# KiCad board SweetBusiness.kicad_pcb (continued)
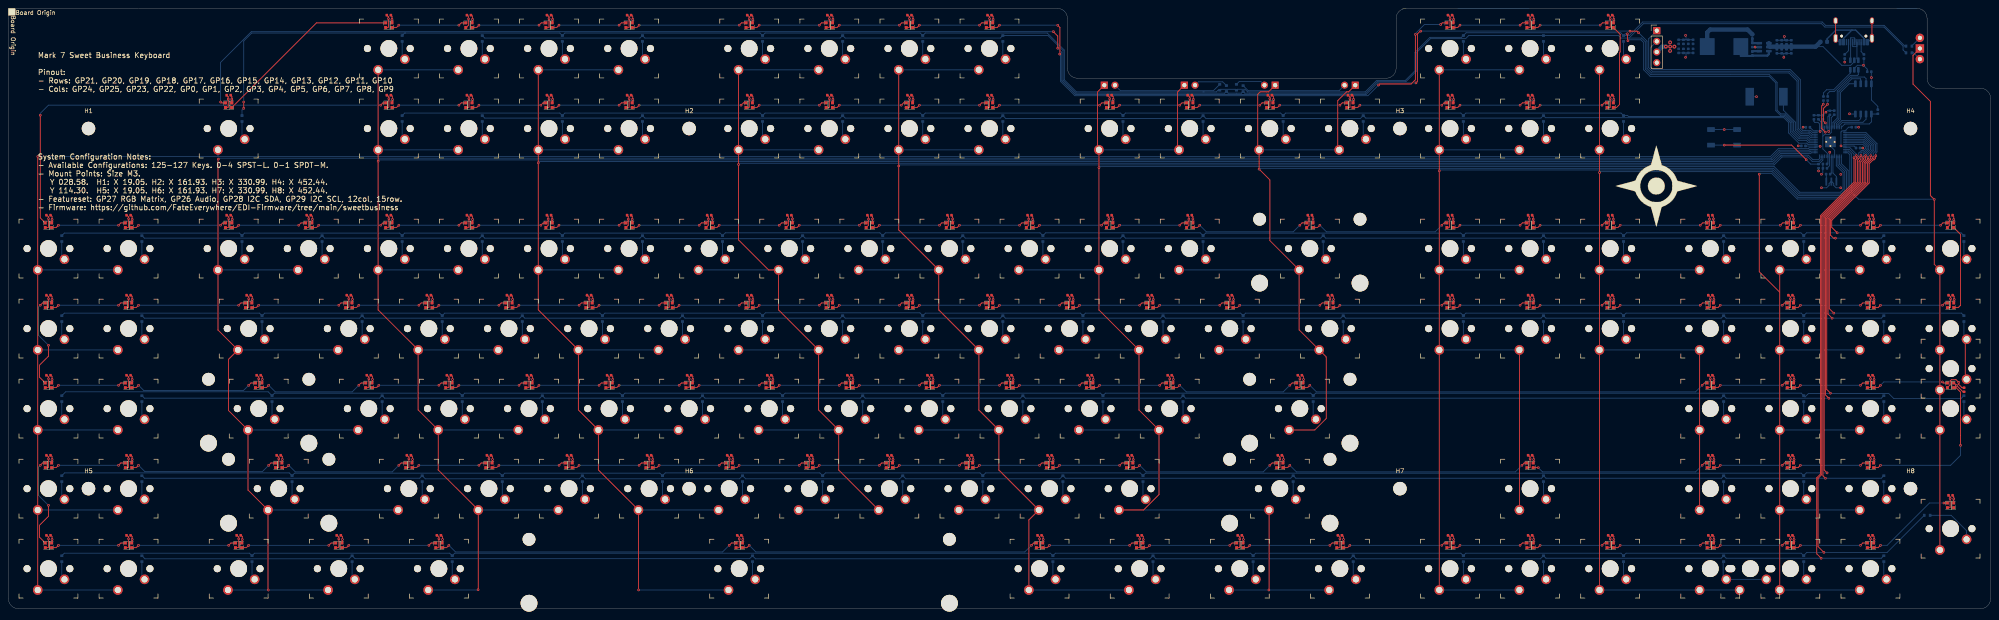
[diagram p0: board, top side]
## Routing (per net, layer and track width the routed paths; a pad name or vN(x,y) marks a point on that pad's centre or on a via; arc(x,y) is an arc through that point) (continued)
4: length 528.2
  Top w0.2: v1(433.4,51.31) 432.51,52.2 432.51,92.95 441,101.45 441,106.24 441.76,107 v1(441.76,107.84)
  Bottom w0.2: D74.1 13.62,51.63 61.79,51.63 D76.1 63.31,51.31 107.35,51.31 D78.1 108.55,51.31 145.45,51.31 D80.1 146.65,51.31 183.55,51.31 D82.1 184.75,51.31 221.65,51.31 D84.1 222.85,51.31 259.75,51.31 D86.1 260.95,51.31 309.76,51.31 D88.1 310.96,51.31 426.44,51.31 D90.1 427.34,50.4 428.15,51.21 447.27,51.21 448.47,50.01 464.44,50.01 D92.1 ; U0.6 441.4,111.73 442.9,110.23 442.9,109.28 441.76,108.14 v1(441.76,107.84)
5: length 489.3
  Top w0.2: v1(433,50.1) 432.21,50.89 432.21,93.07 440.6,101.47 440.6,106.37 441.2,106.97 v1(441.2,107.38)
  Bottom w0.2: v1(441.2,107.38) 441.2,108.32 441.29,108.4 441.54,108.4 442.5,109.36 442.5,110.12 441.3,111.33 U0.7 ; D91.1 445.48,50.1 408.59,50.1 D89.1 407.39,50.11 280,50.11 D87.1 278.8,50.11 241.9,50.11 D85.1 240.7,50.11 203.8,50.11 D83.1 202.6,50.11 165.7,50.11 D81.1 164.5,50.11 127.6,50.11 D79.1 126.4,50.11 89.5,50.11 D77.1 88.3,50.11 32.35,50.11 D75.1
6: length 512.1
  Top w0.2: v1(432.6,32.32) 431.91,33.01 431.91,93.2 440.2,101.49 440.2,106.53 440.65,106.98 v1(440.65,107.86)
  Bottom w0.2: 231.78,31.66 232.44,32.32 269.21,32.32 D105.1 270.47,32.26 426.44,32.26 D109.1 ; D93.1 13.37,32.32 66.8,32.32 D95.1 68.07,32.26 116.88,32.26 D97.1 118.07,32.26 154.98,32.26 D99.1 156.24,32.32 193.01,32.32 D101.1 ; v1(440.65,107.86) 440.65,108.55 440.8,108.7 441.39,108.7 442.1,109.42 442.1,110.04 441.21,110.93 U0.8 ; 427.04,31.72 427.64,32.32 v1(432.6,32.32) ; 193.68,31.66 194.34,32.32 231.11,32.32 D103.1
7: length 507.9
  Top w0.2: v1(440.1,107.38) 440,107.28 440,106.96 439.8,106.76 439.8,101.52 431.61,93.32 431.61,31.64 v1(432.2,31.05)
  Bottom w0.2: U0.9 441.11,110.53 441.7,109.93 441.7,109.5 441.26,109.05 440.72,109.05 440.12,108.46 440.12,107.4 v1(440.1,107.38) ; 365.12,31.53 364.65,31.05 306.23,31.05 305.62,31.66 ; D106.1 304.99,31.06 251.42,31.06 D104.1 250.09,30.92 213.46,30.92 D102.1 211.99,30.92 175.36,30.92 D100.1 173.89,30.92 137.26,30.92 D98.1 135.79,30.92 99.16,30.92 D96.1 97.83,31.06 32.35,31.06 D94.1 ; D108.1 408.59,31.05 445.48,31.05 D110.1 ; 407.99,31.59 407.45,31.05 365.73,31.05 D107.1
8: length 553
  Top w0.2: v1(431.83,13.4) 430.44,14.79 430.44,31.05 431.31,31.91 431.31,93.45 439.4,101.54 439.4,106.93 439.55,107.08 v1(439.55,107.86)
  Bottom w0.2: U0.11 438.04,109.73 439.55,108.21 v1(439.55,107.86) ; 427.04,12.67 427.77,13.4 v1(431.83,13.4) 446.88,13.4 D127.1 ; D125.1 426.44,13.21 384.77,13.21 D123.1 383.58,13.21 346.67,13.21 D121.1 345.48,13.21 296.67,13.21 D119.1 295.47,13.21 249.04,13.21 D117.1 247.84,13.21 106.17,13.21 D115.1 104.97,13.21 58.54,13.21 D113.1 57.34,13.21 13.3,13.21 D111.1
9: length 521.2
  Top w0.2: v1(431.19,12.01) 430.14,13.05 430.14,31.17 431.01,32.03 431.01,93.57 439,101.57 v1(439,107.38)
  Bottom w0.2: D116.1 176.31,11.91 82.45,11.91 D114.1 81.02,11.87 32.48,11.87 D112.1 ; 177.01,12.57 177.7,11.87 271.52,11.87 D118.1 ; D126.1 445.49,12.01 v1(431.19,12.01) 408.59,12.01 D124.1 407.39,12.01 365.72,12.01 D122.1 364.39,11.87 320.58,11.87 319.88,12.57 ; D120.1 319.15,11.87 272.95,11.87 272.26,12.57 ; v1(439,107.38) 439,108.2 437.87,109.33 U0.12
10: length 154.1
  Top w0.2: K127.1 K92.1 K50.1 458.08,81.98 v1(458.08,97.43) 457.16,98.36 457.16,120.76 453.04,124.89 453.04,131.72 SWA1.2
  Bottom w0.2: U0.13 437.71,108.93 438.4,108.23 438.4,99.12 440.05,97.47 458.05,97.47 v1(458.08,97.43)
11: length 236.7
  Top w0.2: K48.1 421.32,75.34 ; 421.32,75.34 416.46,80.2 v1(416.46,103.43) ; 421.32,75.34 K125.1
  Bottom w0.2: K90.1 K91.1 ; K125.1 K126.1 ; K48.1 K49.1 ; K71.1 K72.1 ; v1(416.46,103.43) 416.66,103.63 419.4,103.63 425.51,97.52 436.43,97.52 438,99.1 438,108.06 437.54,108.53 U0.14 ; K109.1 K110.1
12: length 314.3
  Top w0.2: K70.1 K108.1 ; K12.1 K123.1
  Bottom w0.2: U0.15 435.99,105.93 437.6,104.32 437.6,99.26 436.27,97.92 425.64,97.92 419.53,104.03 378.66,104.03 v1(378.46,103.83) ; K124.2.1 K124.1 K123.1 ; K46.1 K47.1 ; K69.1 K70.1
13: length 366
  Top w0.2: K10.1 K121.1 ; K68.1 K107.1
  Bottom w0.2: K25.1 K26.1 ; K67.1 K68.1 ; K10.1 K11.1 ; K44.1 K45.1 ; K121.1 K122.1 ; U0.16 435.59,105.77 437.2,104.15 437.2,99.43 436.1,98.32 425.8,98.32 419.69,104.43 340.56,104.43 v1(340.36,104.23)
14: length 338.9
  Top w0.2: KT3.1 299.73,123.03 297.76,123.03 297.16,122.43 297.16,109.56 K23.1 v1(297.5,104.63) 300.04,102.09 300.04,87.63 K43.1 307.02,66.36 K66.1 313.46,59.92 313.46,45.27 310.74,42.55 K88.1 ; KT4.1 318.77,123.03 318.29,123.03 316.21,120.94 316.21,109.56 K24.1
  Bottom w0.2: K65.1 K66.1 ; K42.1 K43.1 ; v1(297.5,104.63) 297.7,104.83 419.85,104.83 425.96,98.72 435.93,98.72 436.8,99.59 436.8,103.98 435.19,105.6 U0.17 ; K23.1 K24.1
15: length 474.7
  Top w0.2: KT2.1 278.11,123.01 278.11,109.56 K22.1 ; K105.1 270.01,23.5 273.69,27.17 K87.1 268.92,47.31 K64.1 259.4,71.12 K41.1 v1(259.4,105) K21.1 259.06,109.56 259.06,123.01 KT1.1 ; K106.1 299.88,4.51 v1(299.82,4.44)
  Bottom w0.2: K120.1 v1(299.82,4.44) K119.1 ; K21.1 K22.1 ; v1(259.4,105) 259.63,105.23 420.01,105.23 426.12,99.12 435.77,99.12 436.4,99.76 436.4,103.82 434.79,105.44 U0.18 ; K41.1 K40.1 ; K64.1 K63.1 ; K87.1 K86.1 ; K106.1 K105.1
16: length 498.4
  Top w0.2: K8.1 v1(211.77,105.38) 211.77,90.17 K39.1 221.3,71.12 K62.1 230.82,47.31 K85.1 235.58,33.02 K104.1 242.73,21.11 K117.1
  Bottom w0.2: K8.1 K9.1 ; K117.1 K118.1 ; K61.1 K62.1 ; v1(211.77,105.38) 212.03,105.63 419.97,105.63 421.87,107.53 421.87,107.54 427.99,107.54 429.04,106.49 430.72,106.49 431.19,106.96 U0.27 ; K19.1 K20.1 ; K103.1 K104.1 ; K84.1 K85.1 ; K38.1 K39.1
17: length 493.4
  Top w0.2: K102.1 197.49,33.02 K83.1 192.72,47.31 K60.1 183.2,71.12 K37.1 180.82,80.65 173.67,87.79 v1(173.67,105.76) K17.1 K6.1
  Bottom w0.2: K59.1 K60.1 ; U0.28 430.79,107.12 430.55,106.89 429.2,106.89 428.16,107.94 421.7,107.94 421.47,107.7 421.47,107.69 419.81,106.03 173.95,106.03 v1(173.67,105.76) ; K36.1 K37.1 ; K101.1 K102.1 ; K17.1 K18.1 ; K82.1 K83.1 ; K6.1 K7.1
18: length 574.3
  Top w0.2: v1(149.89,4.46) 149.86,4.49 K99.1 140.34,33.02 K80.1 135.57,47.31 K57.1 126.05,71.12 K34.1 v1(126.05,106.14) K4.1
  Bottom w0.2: U0.29 428.83,108.53 428.65,108.34 421.53,108.34 420.04,106.85 420.04,106.84 419.64,106.43 126.34,106.43 v1(126.05,106.14) ; K99.1 K100.1 ; K34.1 K35.1 ; K80.1 K81.1 ; v1(149.89,4.46) 149.9,4.44 K116.1 ; K15.1 K16.1 ; K57.1 K58.1 ; K4.1 K5.1
19: length 602.8
  Top w0.2: K2.1 v1(87.95,106.52) K32.1 87.95,71.12 K55.1 97.47,47.31 K78.1 102.24,33.02 K97.1 111.76,4.55 v1(111.72,4.51)
  Bottom w0.2: 99.85,4.44 111.65,4.44 v1(111.72,4.51) ; K3.1 K2.1 ; K13.1 K14.1 ; K56.1 K55.1 ; v1(87.95,106.52) 88.26,106.83 419.47,106.83 419.47,106.84 421.37,108.74 428.48,108.74 428.67,108.93 U0.30 ; K98.1 K97.1 ; K78.1 K79.1 ; K32.1 K33.1
20: length 614.2
  Top w0.2: v1(61.82,4.44) 61.75,4.51 K95.1 56.99,28.26 K76.1 52.36,47.18 52.36,59.34 K53.1 49.85,66.36 K30.1 49.85,106.94 v1(49.94,107.03)
  Bottom w0.2: K77.1 K76.1 ; K54.1 K53.1 ; K31.1 K30.1 ; K114.1 v1(61.82,4.44) K113.1 ; v1(49.94,107.03) 50.14,107.23 419.3,107.23 421.2,109.14 428.31,109.14 428.5,109.33 U0.31 ; K95.1 K96.1
21: length 623.9
  Top w0.2: v1(6.98,107.63) K111.1
  Bottom w0.2: v1(6.98,107.63) 50.01,107.63 ; 50.01,107.63 49.85,107.79 K1.1 ; 50.01,107.63 419.13,107.63 421.04,109.54 428.15,109.54 428.34,109.73 U0.32 ; K94.1 K93.1 ; K112.1 K111.1 ; K28.1 K29.1 ; K75.1 K74.1 ; K52.1 K51.1
22: length 324.7
  Bottom w0.2: D14.1 113.31,116.78 150.21,116.78 D16.1 151.41,116.78 197.84,116.78 D18.1 199.04,116.78 235.94,116.78 D20.1 237.24,116.68 283.46,116.68 D22.1 284.86,116.68 321.56,116.68 D24.1 322.86,116.78 364.53,116.78 D26.1 365.63,116.88 422.29,116.88 423.44,115.72 423.44,113.24 425.88,110.81 427.76,110.81 428.04,110.53 U0.34
23: length 343.8
  Bottom w0.2: D13.1 94.26,117.98 131.16,117.98 D15.1 132.36,117.98 178.79,117.98 D17.1 179.99,117.98 216.89,117.98 D19.1 218.09,117.98 264.51,117.98 D21.1 265.71,117.98 302.61,117.98 D23.1 303.81,117.98 345.48,117.98 D25.1 346.67,117.98 383.58,117.98 D27.1 385.14,117.38 385.35,117.18 422.41,117.18 423.84,115.75 423.84,113.41 425.8,111.46 427.68,111.46 428.21,110.93 U0.35
24: length 506.6
  Top w0.2: v1(385.22,135.19) 385.1,135.32 v1(385.1,136.84) ; v1(55.97,119.11) v1(55.97,120.61)
  Bottom w0.2: 384.18,136.43 384.59,136.84 v1(385.1,136.84) ; 94.47,137.03 57.89,137.03 55.97,135.11 v1(55.97,120.61) ; 94.47,137.03 94.26,137.03 D2.1 ; 94.47,137.03 131.16,137.03 D4.1 132.36,137.03 178.79,137.03 D6.1 179.99,137.03 216.89,137.03 D8.1 218.09,137.03 247.1,137.03 251.16,132.97 251.16,125.89 254.04,123.01 284.16,123.01 ; 284.16,123.01 284.47,123.01 ; 284.16,123.01 287.32,123.01 287.72,123.41 DT1.1 288.35,123.64 291.88,123.64 DT3.1 292.33,123.65 294.13,123.65 294.76,123.01 322.72,123.01 325.46,125.75 332.28,125.75 334.57,128.04 334.57,132.44 338.13,135.99 345.64,135.99 D10.1 346.74,137.1 383.51,137.1 D12.1 385.51,136.43 385.51,136.43 388.74,139.66 431.43,139.66 432.23,138.86 446.15,138.86 451.09,133.91 DA1.1 ; v1(385.22,135.19) 385.46,135.43 388.3,135.43 388.96,134.77 388.96,128.28 390.51,126.73 418.82,126.73 420.4,125.15 420.4,118.55 421.47,117.48 422.54,117.48 424.24,115.77 424.24,113.58 425.96,111.86 427.85,111.86 428.38,111.33 U0.36 ; D1.1 55.56,118.71 v1(55.97,119.11)
25: length 427.3
  Bottom w0.2: 385.48,135.83 388.91,139.26 431.27,139.26 432.07,138.46 446.12,138.46 450.67,133.91 450.67,133.01 DA2.1 ; 385.48,135.83 383.57,135.83 382.97,136.43 D11.1 347.36,136.43 346.62,135.69 338.25,135.69 334.87,132.31 334.87,127.91 332.41,125.45 325.58,125.45 322.84,122.71 294.09,122.71 DT4.1 293.29,122.71 290.13,122.71 DT2.1 289.31,122.71 253.92,122.71 250.86,125.77 250.86,132.85 247.28,136.43 D9.1 235.94,135.83 199.04,135.83 D7.1 197.84,135.83 151.41,135.83 D5.1 150.21,135.83 113.31,135.83 D3.1 ; 385.48,135.83 388.46,135.83 389.36,134.94 389.36,128.46 390.68,127.13 418.84,127.13 420.7,125.28 420.7,118.68 421.6,117.78 422.66,117.78 424.64,115.8 424.64,113.74 426.13,112.26 428.01,112.26 428.55,111.73 U0.37
26/A0: length 14.8
  Bottom w0.2: TX0.1 422.2,118.66 425.04,115.82 425.04,113.91 426.3,112.66 428.18,112.66 428.71,112.13 U0.38
27/A1: length 438.8
  Top w0.2: v1(249.59,133.41) 249.59,136.33 v1(248.56,137.35) ; v1(334.8,125.16) 335.18,125.54 335.18,136.84 335.82,137.48 v1(335.95,137.48) ; v1(387.76,137.1) 387.38,137.48 385.73,137.48 v1(385.72,137.49) ; v1(50.47,120.61) 50.67,120.41 LD1.3
  Bottom w0.2: v1(387.76,137.1) 389.76,135.1 389.76,128.63 390.85,127.53 423.5,127.53 425.44,125.59 425.44,114.07 426.46,113.06 428.35,113.06 428.88,112.53 U0.39 ; v1(50.47,120.61) 50.47,130.04 57.78,137.35 v1(248.56,137.35) ; v1(385.72,137.49) 385.71,137.5 335.97,137.5 v1(335.95,137.48) ; v1(249.59,133.41) 250.56,132.44 250.56,125.65 253.79,122.41 322.97,122.41 325.71,125.15 334.8,125.15 v1(334.8,125.16)
28/A2: length 62.7
  Bottom w0.2: U0.40 429.04,112.93 428.5,113.47 428.28,113.47 428.27,113.46 426.63,113.46 425.84,114.24 425.84,125.75 423.67,127.93 391.03,127.93 390.16,128.8 390.16,135.67 J2.1
29/A3: length 59.3
  Bottom w0.2: U0.41 429.21,113.33 428.67,113.87 427.4,113.87 427.39,113.86 426.79,113.86 426.24,114.4 426.24,125.92 423.83,128.33 391.19,128.33 390.56,128.97 390.56,133.53 J2.2
CLOCK: length 16.5
  Bottom w0.2: U2.6 440.59,126.05 440.5,126.15 438.46,126.15 435.41,123.09 435.41,116.61 434.39,115.59 U0.52
CS: length 11
  Bottom w0.2: 444.59,117.75 U2.1 443.13,115.89 442.63,115.38 436.8,115.38 U0.56
D+: length 7.5
  Bottom w0.2: J4.A6 438.69,133.89 438.79,133.79 439.6,133.79 439.69,133.89 J4.B6 439.69,130.88 U3.6
D-: length 7.2
  Bottom w0.2: 438.19,130.62 J4.B7 438.19,135.84 438.24,135.89 439.06,135.89 439.19,135.75 J4.A7
DB+: length 11
  Bottom w0.2: RD1.1 432.75,122.64 433.23,123.13 434.31,123.13 438.14,126.96 439.85,126.96 440.02,127.12 U3.1
DB-: length 10
  Bottom w0.2: RD2.1 431.73,122.77 432.49,123.53 434.15,123.53 438.12,127.5 U3.3
SD0: length 13.1
  Bottom w0.2: U0.53 434.79,115.43 435.81,116.45 435.81,122.92 437.83,124.95 U2.5
SD1: length 8.6
  Bottom w0.2: U2.2 441.86,116.52 441.12,115.78 436.27,115.78 435.59,115.09 U0.55
SD2: length 7.8
  Bottom w0.2: U2.3 440.59,116.65 440.12,116.18 436.11,116.18 435.19,115.26 U0.54
SD3: length 18.7
  Bottom w0.2: U0.51 433.99,115.76 435.01,116.78 435.01,123.25 438.31,126.56 441.48,126.56 441.86,126.17 U2.7
XIN: length 6.4
  Bottom w0.2: Y0.1 434.81,102.88 433.99,103.7 U0.20
XOUT: length 4.4
  Bottom w0.2: U0.21 433.59,103.7 RX2.1
~{RESET}: length 32.7
  Top w0.2: 424.16,110.35 v1(427.64,106.87) ; v1(408.14,110.35) 424.16,110.35
  Bottom w0.2: 430.63,105.83 431.59,106.79 U0.26 ; S2.2 v1(408.14,110.35) S2.2 ; v1(427.64,106.87) 428.68,105.83 RR1.2
Net-(D1-A): length 3.6
  Bottom w0.2: D1.2 55.56,112.4
Net-(D2-A): length 3.6
  Bottom w0.2: D2.2 93.66,131.45
Net-(D3-A): length 3.6
  Bottom w0.2: D3.2 112.71,131.45
Net-(D4-A): length 3.6
  Bottom w0.2: D4.2 131.76,131.45
Net-(D5-A): length 3.6
  Bottom w0.2: D5.2 150.81,131.45
Net-(D6-A): length 3.6
  Bottom w0.2: D6.2 179.39,131.45
Net-(D7-A): length 3.6
  Bottom w0.2: D7.2 198.44,131.45
Net-(D8-A): length 3.6
  Bottom w0.2: D8.2 217.49,131.45
Net-(D9-A): length 3.6
  Bottom w0.2: D9.2 236.54,131.45
Net-(D10-A): length 3.6
  Bottom w0.2: D10.2 346.07,131.45
Net-(D11-A): length 4.5
  Bottom w0.2: D11.2 365.12,131.45 K11.2
Net-(D12-A): length 3.6
  Bottom w0.2: D12.2 384.18,131.45
Net-(D13-A): length 3.6
  Bottom w0.2: D13.2 93.66,112.4
Net-(D14-A): length 3.6
  Bottom w0.2: D14.2 112.71,112.4
Net-(D15-A): length 3.6
  Bottom w0.2: D15.2 131.76,112.4
Net-(D16-A): length 3.6
  Bottom w0.2: D16.2 150.81,112.4
Net-(D17-A): length 3.6
  Bottom w0.2: D17.2 179.39,112.4
Net-(D18-A): length 3.6
  Bottom w0.2: D18.2 198.44,112.4
Net-(D19-A): length 3.6
  Bottom w0.2: D19.2 217.49,112.4
Net-(D20-A): length 3.6
  Bottom w0.2: D20.2 236.54,112.4
Net-(D21-A): length 3.6
  Bottom w0.2: D21.2 265.11,112.4
Net-(D22-A): length 3.6
  Bottom w0.2: D22.2 284.16,112.4
Net-(D23-A): length 3.6
  Bottom w0.2: D23.2 303.21,112.4
Net-(D24-A): length 3.6
  Bottom w0.2: D24.2 322.26,112.4
Net-(D25-A): length 3.6
  Bottom w0.2: D25.2 346.07,112.4
Net-(D26-A): length 3.6
  Bottom w0.2: D26.2 365.12,112.4
Net-(D27-A): length 3.6
  Bottom w0.2: D27.2 384.18,112.4
Net-(D28-A): length 3.6
  Bottom w0.2: D28.2 12.7,83.82
Net-(D29-A): length 3.6
  Bottom w0.2: D29.2 31.75,83.82
Net-(D30-A): length 3.6
  Bottom w0.2: D30.2 55.56,83.82
Net-(D31-A): length 3.6
  Bottom w0.2: D31.2 74.61,83.82
Net-(D32-A): length 3.6
  Bottom w0.2: D32.2 93.66,83.82
Net-(D33-A): length 3.6
  Bottom w0.2: D33.2 112.71,83.82
Net-(D34-A): length 3.6
  Bottom w0.2: D34.2 131.76,83.82
Net-(D35-A): length 3.6
  Bottom w0.2: D35.2 150.81,83.82
Net-(D36-A): length 3.6
  Bottom w0.2: D36.2 169.86,83.82
Net-(D37-A): length 3.6
  Bottom w0.2: D37.2 188.91,83.82
Net-(D38-A): length 3.6
  Bottom w0.2: D38.2 207.96,83.82
Net-(D39-A): length 3.6
  Bottom w0.2: D39.2 227.01,83.82
Net-(D40-A): length 3.6
  Bottom w0.2: D40.2 246.06,83.82
Net-(D41-A): length 3.6
  Bottom w0.2: D41.2 265.11,83.82
Net-(D42-A): length 3.6
  Bottom w0.2: D42.2 284.16,83.82
Net-(D43-A): length 3.6
  Bottom w0.2: D43.2 312.74,83.82
Net-(D44-A): length 3.6
  Bottom w0.2: D44.2 346.07,83.82
Net-(D45-A): length 3.6
  Bottom w0.2: D45.2 365.12,83.82
Net-(D46-A): length 3.6
  Bottom w0.2: D46.2 384.18,83.82
Net-(D47-A): length 3.6
  Bottom w0.2: D47.2 407.99,83.82
Net-(D48-A): length 3.6
  Bottom w0.2: D48.2 427.04,83.82
Net-(D49-A): length 3.6
  Bottom w0.2: D49.2 446.09,83.82
Net-(D50-A): length 3.6
  Bottom w0.2: D50.2 465.14,83.82
Net-(D51-A): length 3.6
  Bottom w0.2: D51.2 12.7,64.77
Net-(D52-A): length 3.6
  Bottom w0.2: D52.2 31.75,64.77
Net-(D53-A): length 3.6
  Bottom w0.2: D53.2 60.33,64.77
Net-(D54-A): length 3.6
  Bottom w0.2: D54.2 84.14,64.77
Net-(D55-A): length 3.6
  Bottom w0.2: D55.2 103.19,64.77
Net-(D56-A): length 3.6
  Bottom w0.2: D56.2 122.24,64.77
Net-(D57-A): length 3.6
  Bottom w0.2: D57.2 141.29,64.77
Net-(D58-A): length 3.6
  Bottom w0.2: D58.2 160.34,64.77
Net-(D59-A): length 3.6
  Bottom w0.2: D59.2 179.39,64.77
Net-(D60-A): length 3.6
  Bottom w0.2: D60.2 198.44,64.77
Net-(D61-A): length 3.6
  Bottom w0.2: D61.2 217.49,64.77
Net-(D62-A): length 3.6
  Bottom w0.2: D62.2 236.54,64.77
Net-(D63-A): length 3.6
  Bottom w0.2: D63.2 255.59,64.77
Net-(D64-A): length 3.6
  Bottom w0.2: D64.2 274.64,64.77
Net-(D65-A): length 3.6
  Bottom w0.2: D65.2 293.69,64.77
Net-(D66-A): length 3.6
  Bottom w0.2: D66.2 317.5,64.77
Net-(D67-A): length 3.6
  Bottom w0.2: D67.2 346.07,64.77
Net-(D68-A): length 3.6
  Bottom w0.2: D68.2 365.12,64.77
Net-(D69-A): length 3.6
  Bottom w0.2: D69.2 384.18,64.77
Net-(D70-A): length 3.6
  Bottom w0.2: D70.2 407.99,64.77
Net-(D71-A): length 3.6
  Bottom w0.2: D71.2 427.04,64.77
Net-(D72-A): length 3.6
  Bottom w0.2: D72.2 446.09,64.77
Net-(D73-A): length 13.4
  Top w0.2: K73.2.2 465.47,54.91 465.47,63.83 K73.2
  Bottom w0.2: D73.2 465.14,64.77
Net-(D74-A): length 3.6
  Bottom w0.2: D74.2 12.7,45.72
Net-(D75-A): length 3.6
  Bottom w0.2: D75.2 31.75,45.72
Net-(D76-A): length 3.6
  Bottom w0.2: D76.2 62.71,45.72
Net-(D77-A): length 3.6
  Bottom w0.2: D77.2 88.9,45.72
Net-(D78-A): length 3.6
  Bottom w0.2: D78.2 107.95,45.72
Net-(D79-A): length 3.6
  Bottom w0.2: D79.2 127,45.72
Net-(D80-A): length 3.6
  Bottom w0.2: D80.2 146.05,45.72
Net-(D81-A): length 3.6
  Bottom w0.2: D81.2 165.1,45.72
Net-(D82-A): length 3.6
  Bottom w0.2: D82.2 184.15,45.72
Net-(D83-A): length 3.6
  Bottom w0.2: D83.2 203.2,45.72
Net-(D84-A): length 3.6
  Bottom w0.2: D84.2 222.25,45.72
Net-(D85-A): length 3.6
  Bottom w0.2: D85.2 241.3,45.72
Net-(D86-A): length 3.6
  Bottom w0.2: D86.2 260.35,45.72
Net-(D87-A): length 3.6
  Bottom w0.2: D87.2 279.4,45.72
Net-(D88-A): length 3.6
  Bottom w0.2: D88.2 310.36,45.72
Net-(D89-A): length 3.6
  Bottom w0.2: D89.2 407.99,45.72
Net-(D90-A): length 3.6
  Bottom w0.2: D90.2 427.04,45.72
Net-(D91-A): length 3.6
  Bottom w0.2: D91.2 446.09,45.72
Net-(D92-A): length 3.6
  Bottom w0.2: D92.2 465.14,45.72
Net-(D93-A): length 3.6
  Bottom w0.2: D93.2 12.7,26.67
Net-(D94-A): length 3.6
  Bottom w0.2: D94.2 31.75,26.67
Net-(D95-A): length 3.6
  Bottom w0.2: D95.2 67.47,26.67
Net-(D96-A): length 3.6
  Bottom w0.2: D96.2 98.43,26.67
Net-(D97-A): length 3.6
  Bottom w0.2: D97.2 117.47,26.67
Net-(D98-A): length 3.6
  Bottom w0.2: D98.2 136.53,26.67
Net-(D99-A): length 3.6
  Bottom w0.2: D99.2 155.57,26.67
Net-(D100-A): length 3.6
  Bottom w0.2: D100.2 174.62,26.67
Net-(D101-A): length 3.6
  Bottom w0.2: D101.2 193.68,26.67
Net-(D102-A): length 3.6
  Bottom w0.2: D102.2 212.73,26.67
Net-(D103-A): length 3.6
  Bottom w0.2: D103.2 231.77,26.67
Net-(D104-A): length 3.6
  Bottom w0.2: D104.2 250.82,26.67
Net-(D105-A): length 3.6
  Bottom w0.2: D105.2 269.88,26.67
Net-(D106-A): length 3.6
  Bottom w0.2: D106.2 305.59,26.67
Net-(D107-A): length 3.6
  Bottom w0.2: D107.2 365.12,26.67
Net-(D108-A): length 3.6
  Bottom w0.2: D108.2 407.99,26.67
Net-(D109-A): length 3.6
  Bottom w0.2: D109.2 427.04,26.67
Net-(D110-A): length 3.6
  Bottom w0.2: D110.2 446.09,26.67
Net-(D111-A): length 3.6
  Bottom w0.2: D111.2 12.7,7.62
Net-(D112-A): length 3.6
  Bottom w0.2: D112.2 31.75,7.62
Net-(D113-A): length 3.6
  Bottom w0.2: D113.2 57.94,7.62
Net-(D114-A): length 3.6
  Bottom w0.2: D114.2 81.76,7.62
Net-(D115-A): length 3.6
  Bottom w0.2: D115.2 105.57,7.62
Net-(D116-A): length 3.6
  Bottom w0.2: D116.2 177.01,7.62
Net-(D117-A): length 3.6
  Bottom w0.2: D117.2 248.44,7.62
Net-(D118-A): length 3.6
  Bottom w0.2: D118.2 272.26,7.62
Net-(D119-A): length 3.6
  Bottom w0.2: D119.2 296.07,7.62
Net-(D120-A): length 3.6
  Bottom w0.2: D120.2 319.88,7.62
Net-(D121-A): length 3.6
  Bottom w0.2: D121.2 346.07,7.62
Net-(D122-A): length 3.6
  Bottom w0.2: D122.2 365.12,7.62
Net-(D123-A): length 3.6
  Bottom w0.2: D123.2 384.18,7.62
Net-(D124-A): length 13.2
  Bottom w0.2: D124.2 407.87,11.09 407.87,7.74 407.99,7.62 ; K124.2.2 K124.2
Net-(D125-A): length 3.6
  Bottom w0.2: D125.2 427.04,7.62
Net-(D126-A): length 3.6
  Bottom w0.2: D126.2 446.09,7.62
Net-(D127-A): length 12.2
  Bottom w0.2: K127.2 465.77,18.55 462.1,22.23 D127.2
Net-(DA1-A): length 2.8
  Bottom w0.2: SWA1.1 452.77,133.99 DA1.2
Net-(DA2-A): length 2.5
  Bottom w0.2: SWA1.3 453.17,132.31 DA2.2
Net-(DT1-A): length 26.1
  Bottom w0.2: DT1.2 286.63,123.31 264.51,123.31 KT1.2
Net-(DT2-A): length 8.2
  Bottom w0.2: KT2.2 283.05,125.41 288.83,125.41 DT2.2
Net-(DT3-A): length 7.3
  Bottom w0.2: KT3.2 297.92,125.47 292.76,125.47 DT3.2
Net-(DT4-A): length 25.2
  Bottom w0.2: DT4.2 294.89,123.31 316.52,123.31 KT4.2
Net-(J4-CC1): length 3.3
  Bottom w0.2: J4.A5 437.69,132.84 RC2.1
Net-(J4-CC2): length 3.2
  Bottom w0.2: J4.B5 440.69,132.59 RC1.2
Net-(LD1-DOUT): length 44.9
  Top w0.2: LD2.3 73.29,139.46 LD1.1
Net-(LD2-DOUT): length 18
  Top w0.2: LD3.3 107.71,139.46 v1(107.16,138.91) ; v1(92.87,138.91) 92.32,138.36 LD2.1
  Bottom w0.2: v1(92.87,138.91) v1(107.16,138.91)
Net-(LD3-DOUT): length 18
  Top w0.2: v1(111.92,138.91) 111.37,138.36 LD3.1 ; LD4.3 126.76,139.46 v1(126.21,138.91)
  Bottom w0.2: v1(111.92,138.91) v1(126.21,138.91)
Net-(LD4-DOUT): length 18
  Top w0.2: LD4.1 130.42,138.36 v1(130.97,138.91) ; v1(145.26,138.91) 145.81,139.46 LD5.3
  Bottom w0.2: v1(130.97,138.91) v1(145.26,138.91)
Net-(LD5-DOUT): length 27.5
  Top w0.2: LD6.3 174.38,139.46 v1(173.83,138.91) ; LD5.1 149.47,138.36 v1(150.02,138.91)
  Bottom w0.2: v1(150.02,138.91) v1(173.83,138.91)
Net-(LD6-DOUT): length 18
  Top w0.2: LD6.1 178.04,138.36 v1(178.59,138.91) ; v1(192.88,138.91) 193.43,139.46 LD7.3
  Bottom w0.2: v1(178.59,138.91) v1(192.88,138.91)
Net-(LD7-DOUT): length 18
  Top w0.2: LD8.3 212.48,139.46 v1(211.93,138.91) ; LD7.1 197.09,138.36 v1(197.64,138.91)
  Bottom w0.2: v1(197.64,138.91) v1(211.93,138.91)
Net-(LD8-DOUT): length 18
  Top w0.2: LD9.3 231.53,139.46 v1(230.98,138.91) ; v1(216.69,138.91) 216.14,138.36 LD8.1
  Bottom w0.2: v1(216.69,138.91) v1(230.98,138.91)
Net-(LD10-DIN): length 136.3
  Top w0.2: v1(249.59,138.87) 250.11,138.35 250.11,132.06 v1(250.06,132.02) ; v1(340.67,139.06) 341.07,139.46 LD10.3 ; v1(334.67,136.71) 334.67,125.91 333.66,124.9 326.17,124.9 v1(325.91,124.65) ; LD9.1 235.19,138.36 v1(235.74,138.91)
  Bottom w0.2: v1(235.74,138.91) 249.56,138.91 v1(249.59,138.87) ; v1(334.67,136.71) 334.67,136.91 336.82,139.06 v1(340.67,139.06) ; v1(325.91,124.65) 323.38,122.11 253.67,122.11 250.26,125.52 250.26,131.82 v1(250.06,132.02)
Net-(LD10-DOUT): length 18
  Top w0.2: v1(359.57,138.91) 360.12,139.46 LD11.3 ; LD10.1 344.73,138.36 v1(345.28,138.91)
  Bottom w0.2: v1(345.28,138.91) v1(359.57,138.91)
Net-(LD11-DOUT): length 18
  Top w0.2: LD12.3 379.17,139.46 v1(378.62,138.91) ; LD11.1 363.78,138.36 v1(364.33,138.91)
  Bottom w0.2: v1(364.33,138.91) v1(378.62,138.91)
Net-(LD12-DOUT): length 20.9
  Top w0.2: LD27.3 382.52,119.31 383.23,120.01 383.23,132.39 383.38,132.55 383.38,136.73 LD12.1
Net-(LD13-DIN): length 18
  Top w0.2: LD13.3 92.32,119.31 v1(92.87,119.86) ; LD14.1 107.71,120.41 v1(107.16,119.86)
  Bottom w0.2: v1(107.16,119.86) v1(92.87,119.86)
Net-(LD13-DOUT): length 109.8
  Top w0.2: LD13.1 89.1,120.41 v1(88.55,119.86) ; LD28.3 7.58,93.02 v1(7.58,117.48)
  Bottom w0.2: v1(88.55,119.86) 9.53,119.86 7.58,117.92 v1(7.58,117.48)
Net-(LD14-DIN): length 18
  Top w0.2: LD14.3 111.37,119.31 v1(111.92,119.86) ; LD15.1 127.2,120.41 v1(126.65,119.86)
  Bottom w0.2: v1(126.65,119.86) v1(111.92,119.86)
Net-(LD15-DIN): length 18
  Top w0.2: LD16.1 145.81,120.41 v1(145.26,119.86) ; v1(130.97,119.86) 130.42,119.31 LD15.3
  Bottom w0.2: v1(145.26,119.86) v1(130.97,119.86)
Net-(LD16-DIN): length 27.5
  Top w0.2: LD16.3 149.47,119.31 v1(150.02,119.86) ; LD17.1 174.82,120.41 v1(174.27,119.86)
  Bottom w0.2: v1(174.27,119.86) v1(150.02,119.86)
Net-(LD17-DIN): length 18
  Top w0.2: v1(178.59,119.86) 178.04,119.31 LD17.3 ; LD18.1 193.43,120.41 v1(192.88,119.86)
  Bottom w0.2: v1(192.88,119.86) v1(178.59,119.86)
Net-(LD18-DIN): length 18
  Top w0.2: LD19.1 212.92,120.41 v1(212.37,119.86) ; LD18.3 197.09,119.31 v1(197.64,119.86)
  Bottom w0.2: v1(212.37,119.86) v1(197.64,119.86)
Net-(LD19-DIN): length 18
  Top w0.2: LD19.3 216.14,119.31 v1(216.69,119.86) ; v1(230.98,119.86) 231.53,120.41 LD20.1
  Bottom w0.2: v1(230.98,119.86) v1(216.69,119.86)
Net-(LD20-DIN): length 27.5
  Top w0.2: v1(259.56,119.86) 260.11,120.41 LD21.1 ; LD20.3 235.19,119.31 v1(235.74,119.86)
  Bottom w0.2: v1(259.56,119.86) v1(235.74,119.86)
Net-(LD21-DIN): length 18
  Top w0.2: v1(264.32,119.86) 263.77,119.31 LD21.3 ; LD22.1 279.16,120.41 v1(278.61,119.86)
  Bottom w0.2: v1(278.61,119.86) v1(264.32,119.86)
Net-(LD22-DIN): length 18
  Top w0.2: LD22.3 282.82,119.31 v1(283.37,119.86) ; v1(297.66,119.86) 298.21,120.41 LD23.1
  Bottom w0.2: v1(297.66,119.86) v1(283.37,119.86)
Net-(LD23-DIN): length 18
  Top w0.2: LD24.1 317.26,120.41 v1(316.71,119.86) ; LD23.3 301.87,119.31 v1(302.42,119.86)
  Bottom w0.2: v1(316.71,119.86) v1(302.42,119.86)
Net-(LD24-DIN): length 22.8
  Top w0.2: LD24.3 320.92,119.31 v1(321.47,119.86) ; LD25.1 341.51,120.41 v1(340.96,119.86)
  Bottom w0.2: v1(340.96,119.86) v1(321.47,119.86)
Net-(LD25-DIN): length 18
  Top w0.2: v1(345.28,119.86) 344.73,119.31 LD25.3 ; v1(359.57,119.86) 360.12,120.41 LD26.1
  Bottom w0.2: v1(359.57,119.86) v1(345.28,119.86)
Net-(LD26-DIN): length 18
  Top w0.2: v1(364.33,119.86) 363.78,119.31 LD26.3 ; v1(379.06,119.86) 379.61,120.41 LD27.1
  Bottom w0.2: v1(379.06,119.86) v1(364.33,119.86)
Net-(LD28-DOUT): length 18
  Top w0.2: LD29.3 26.74,91.83 v1(26.19,91.28) ; v1(11.91,91.28) 11.36,90.73 LD28.1
  Bottom w0.2: v1(11.91,91.28) v1(26.19,91.28)
Net-(LD29-DOUT): length 22.8
  Top w0.2: LD30.3 51,91.83 v1(50.45,91.28) ; v1(30.96,91.28) 30.41,90.73 LD29.1
  Bottom w0.2: v1(30.96,91.28) v1(50.45,91.28)
Net-(LD30-DOUT): length 18
  Top w0.2: LD31.3 69.61,91.83 v1(69.06,91.28) ; v1(54.77,91.28) 54.22,90.73 LD30.1
  Bottom w0.2: v1(54.77,91.28) v1(69.06,91.28)
Net-(LD31-DOUT): length 18
  Top w0.2: v1(73.82,91.28) 73.27,90.73 LD31.1 ; v1(88.55,91.28) 89.1,91.83 LD32.3
  Bottom w0.2: v1(73.82,91.28) v1(88.55,91.28)
